# KiCad board board.kicad_pcb
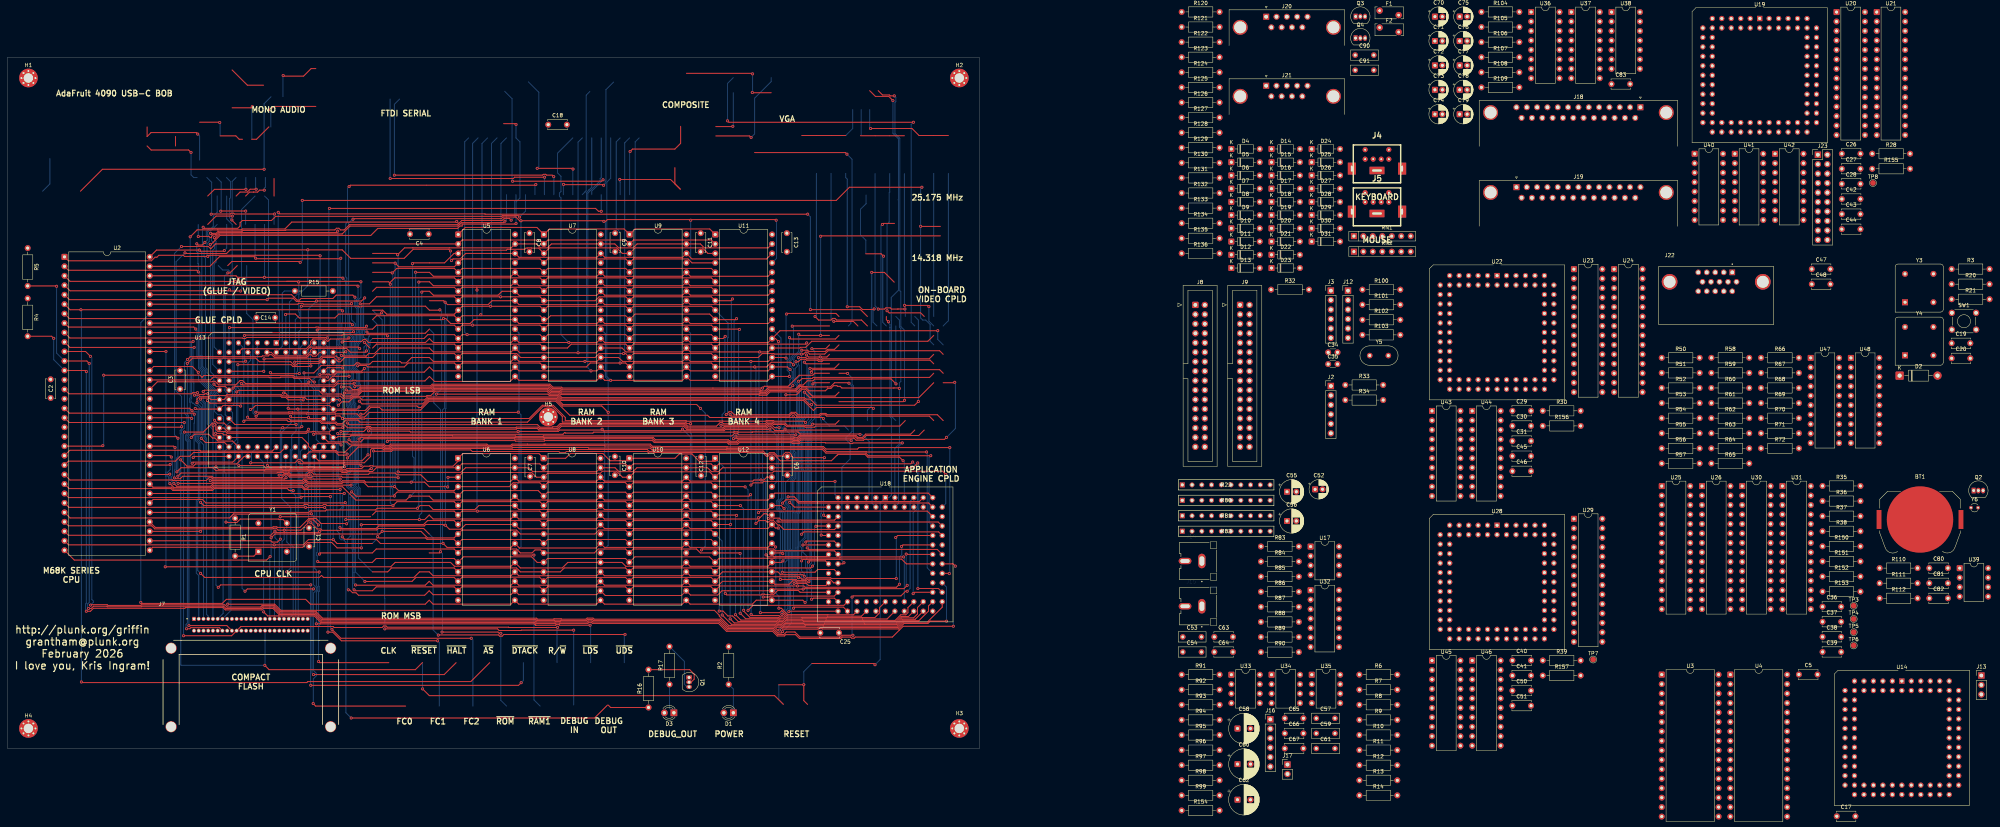
[diagram p0: board, top side]
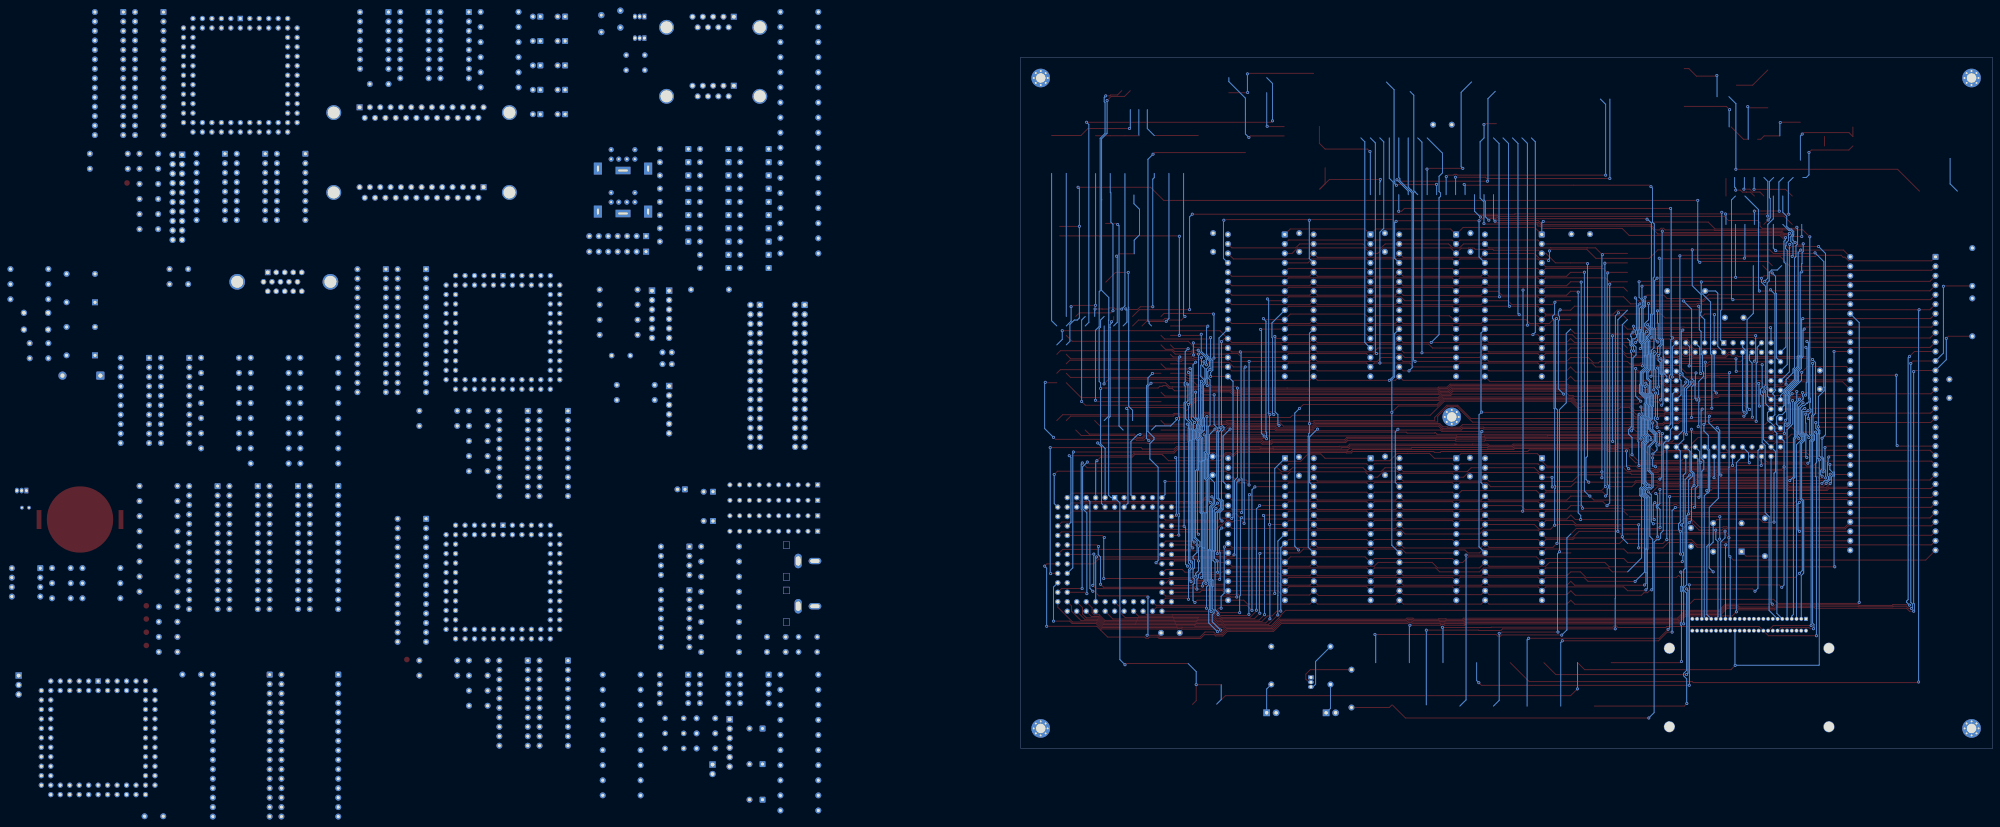
[diagram p1: board, bottom side, seen from below]

Outline 324.26 x 185.57 mm; copper layers: Top, In1.Cu, In2.Cu, Bottom. Coordinates in mm from the lower left corner of the outline.
Outline path: rectangle 0,185.57 260.6,0
Stack: Top 0.035mm / dielectric 0.1mm FR4 er 4.5 / In1.Cu 0.035mm / dielectric 1.24mm FR4 er 4.5 / In2.Cu 0.035mm / dielectric 0.1mm FR4 er 4.5 / Bottom 0.035mm

## Placement (name value [footprint] x y rotation side)
BT1  CR2032  [BatteryHolder_Keystone_3034_1x20mm]  512.83 61.49 0 top
C1  100nF  [C_Disc_D5.0mm_W2.5mm_P5.00mm]  80.88 59.25 270 top
C2  100nF  [C_Disc_D5.0mm_W2.5mm_P5.00mm]  11.58 99.12 270 top
C3  100nF  [C_Disc_D5.0mm_W2.5mm_P5.00mm]  46.28 96.5 90 top
C4  100nF  [C_Disc_D5.0mm_W2.5mm_P5.00mm]  112.94 138.09 180 top
C5  100nF  [C_Disc_D5.0mm_W2.5mm_P5.00mm]  480.36 19.89 0 top
C6  100nF  [C_Disc_D5.0mm_W2.5mm_P5.00mm]  209.13 78.4 270 top
C7  100nF  [C_Disc_D5.0mm_W2.5mm_P5.00mm]  140.13 78.05 270 top
C8  100nF  [C_Disc_D5.0mm_W2.5mm_P5.00mm]  139.99 138.34 270 top
C9  100nF  [C_Disc_D5.0mm_W2.5mm_P5.00mm]  162.94 138.34 270 top
C10  100nF  [C_Disc_D5.0mm_W2.5mm_P5.00mm]  162.88 78.4 270 top
C11  100nF  [C_Disc_D5.0mm_W2.5mm_P5.00mm]  185.89 138.34 270 top
C12  100nF  [C_Disc_D5.0mm_W2.5mm_P5.00mm]  185.98 78.25 270 top
C13  100nF  [C_Disc_D5.0mm_W2.5mm_P5.00mm]  208.99 138.34 270 top
C14  100nF  [C_Disc_D5.0mm_W2.5mm_P5.00mm]  71.78 115.67 180 top
C17  100nF  [C_Disc_D5.0mm_W2.5mm_P5.00mm]  490.51 -18.16 0 top
C18  100nF  [C_Disc_D5.0mm_W2.5mm_P5.00mm]  145 167.47 0 top
C19  100nF  [C_Disc_D5.0mm_W2.5mm_P5.00mm]  521.32 108.81 0 top
C20  100nF  [C_Disc_D5.0mm_W2.5mm_P5.00mm]  521.32 104.76 0 top
C25  100nF  [C_Disc_D5.0mm_W2.5mm_P5.00mm]  217.95 31.07 0 top
C26  100nF  [C_Disc_D5.0mm_W2.5mm_P5.00mm]  491.87 159.67 0 top
C27  100nF  [C_Disc_D5.0mm_W2.5mm_P5.00mm]  491.87 155.62 0 top
C28  100nF  [C_Disc_D5.0mm_W2.5mm_P5.00mm]  491.87 151.57 0 top
C29  100nF  [C_Disc_D5.0mm_W2.5mm_P5.00mm]  403.53 90.66 0 top
C30  100nF  [C_Disc_D5.0mm_W2.5mm_P5.00mm]  403.53 86.61 0 top
C31  100nF  [C_Disc_D5.0mm_W2.5mm_P5.00mm]  403.53 82.56 0 top
C34  33pF  [C_Disc_D3.0mm_W1.6mm_P2.50mm]  354.14 106.35 0 top
C35  33pF  [C_Disc_D3.0mm_W1.6mm_P2.50mm]  354.14 103.2 0 top
C36  100nF  [C_Disc_D5.0mm_W2.5mm_P5.00mm]  486.7 38.09 0 top
C37  100nF  [C_Disc_D5.0mm_W2.5mm_P5.00mm]  486.7 34.04 0 top
C38  100nF  [C_Disc_D5.0mm_W2.5mm_P5.00mm]  486.7 29.99 0 top
C39  100nF  [C_Disc_D5.0mm_W2.5mm_P5.00mm]  486.7 25.94 0 top
C40  100nF  [C_Disc_D5.0mm_W2.5mm_P5.00mm]  403.53 23.66 0 top
C41  100nF  [C_Disc_D5.0mm_W2.5mm_P5.00mm]  403.53 19.61 0 top
C42  100nF  [C_Disc_D5.0mm_W2.5mm_P5.00mm]  491.87 147.52 0 top
C43  100nF  [C_Disc_D5.0mm_W2.5mm_P5.00mm]  491.87 143.47 0 top
C44  100nF  [C_Disc_D5.0mm_W2.5mm_P5.00mm]  491.87 139.42 0 top
C45  100nF  [C_Disc_D5.0mm_W2.5mm_P5.00mm]  403.53 78.51 0 top
C46  100nF  [C_Disc_D5.0mm_W2.5mm_P5.00mm]  403.53 74.46 0 top
C47  100nF  [C_Disc_D5.0mm_W2.5mm_P5.00mm]  483.82 128.71 0 top
C48  100nF  [C_Disc_D5.0mm_W2.5mm_P5.00mm]  483.82 124.66 0 top
C50  100nF  [C_Disc_D5.0mm_W2.5mm_P5.00mm]  403.53 15.56 0 top
C51  100nF  [C_Disc_D5.0mm_W2.5mm_P5.00mm]  403.53 11.51 0 top
C52  10uF  [CP_Radial_D5.0mm_P2.00mm]  350.63 69.59 0 top
C53  8.2nF  [C_Rect_L7.2mm_W2.5mm_P5.00mm]  315.16 29.98 0 top
C54  8.2nF  [C_Rect_L7.2mm_W2.5mm_P5.00mm]  315.16 25.93 0 top
C55  100uF  [CP_Radial_D6.3mm_P2.50mm]  343.1 68.94 0 top
C56  100uF  [CP_Radial_D6.3mm_P2.50mm]  343.1 61.09 0 top
C57  47nF  [C_Rect_L7.2mm_W2.5mm_P5.00mm]  350.95 8.14 0 top
C58  250uF  [CP_Radial_D8.0mm_P3.50mm]  329.81 5.39 0 top
C59  47nF  [C_Rect_L7.2mm_W2.5mm_P5.00mm]  350.95 4.09 0 top
C60  250uF  [CP_Radial_D8.0mm_P3.50mm]  329.81 -4.16 0 top
C61  47nF  [C_Rect_L7.2mm_W2.5mm_P5.00mm]  350.95 0.04 0 top
C62  250uF  [CP_Radial_D8.0mm_P3.50mm]  329.81 -13.71 0 top
C63  100nF  [C_Disc_D5.0mm_W2.5mm_P5.00mm]  323.61 29.98 0 top
C64  100nF  [C_Disc_D5.0mm_W2.5mm_P5.00mm]  323.61 25.93 0 top
C65  100nF  [C_Disc_D5.0mm_W2.5mm_P5.00mm]  342.5 8.14 0 top
C66  100nF  [C_Disc_D5.0mm_W2.5mm_P5.00mm]  342.5 4.09 0 top
C67  100nF  [C_Disc_D5.0mm_W2.5mm_P5.00mm]  342.5 0.04 0 top
C70  1uF  [CP_Radial_D5.0mm_P2.00mm]  382.76 196.47 0 top
C71  1uF  [CP_Radial_D5.0mm_P2.00mm]  382.76 189.92 0 top
C72  1uF  [CP_Radial_D5.0mm_P2.00mm]  382.76 183.37 0 top
C73  1uF  [CP_Radial_D5.0mm_P2.00mm]  382.76 176.82 0 top
C74  1uF  [CP_Radial_D5.0mm_P2.00mm]  382.76 170.27 0 top
C75  1uF  [CP_Radial_D5.0mm_P2.00mm]  389.4 196.47 0 top
C76  1uF  [CP_Radial_D5.0mm_P2.00mm]  389.4 189.92 0 top
C77  1uF  [CP_Radial_D5.0mm_P2.00mm]  389.4 183.37 0 top
C78  1uF  [CP_Radial_D5.0mm_P2.00mm]  389.4 176.82 0 top
C79  1uF  [CP_Radial_D5.0mm_P2.00mm]  389.4 170.27 0 top
C80  2*(CL-Cs) TBD  [C_Disc_D5.0mm_W2.5mm_P5.00mm]  515.32 48.45 0 top
C81  2*(CL-Cs) TBD  [C_Disc_D5.0mm_W2.5mm_P5.00mm]  515.32 44.4 0 top
C82  100nF  [C_Disc_D5.0mm_W2.5mm_P5.00mm]  515.32 40.35 0 top
C83  100nF  [C_Disc_D5.0mm_W2.5mm_P5.00mm]  430.11 178.37 0 top
C90  10nF film  [C_Rect_L7.2mm_W2.5mm_P5.00mm]  361.38 186.14 0 top
C91  10nF film  [C_Rect_L7.2mm_W2.5mm_P5.00mm]  361.38 182.09 0 top
D1  GREEN  [LED_D3.0mm]  194.64 9.62 180 top
D2  1N5817  [D_DO-41_SOD81_P10.16mm_Horizontal]  507.37 100.11 0 top
D3  RED  [LED_D3.0mm]  178.69 9.62 180 top
D4  1N4148  [D_DO-35_SOD27_P7.62mm_Horizontal]  328.17 160.94 0 top
D5  1N4148  [D_DO-35_SOD27_P7.62mm_Horizontal]  328.17 157.39 0 top
D6  1N4148  [D_DO-35_SOD27_P7.62mm_Horizontal]  328.17 153.84 0 top
D7  1N4148  [D_DO-35_SOD27_P7.62mm_Horizontal]  328.17 150.29 0 top
D8  1N4148  [D_DO-35_SOD27_P7.62mm_Horizontal]  328.17 146.74 0 top
D9  1N4148  [D_DO-35_SOD27_P7.62mm_Horizontal]  328.17 143.19 0 top
D10  1N4148  [D_DO-35_SOD27_P7.62mm_Horizontal]  328.17 139.64 0 top
D11  1N4148  [D_DO-35_SOD27_P7.62mm_Horizontal]  328.17 136.09 0 top
D12  1N4148  [D_DO-35_SOD27_P7.62mm_Horizontal]  328.17 132.54 0 top
D13  1N4148  [D_DO-35_SOD27_P7.62mm_Horizontal]  328.17 128.99 0 top
D14  1N4148  [D_DO-35_SOD27_P7.62mm_Horizontal]  338.94 160.94 0 top
D15  1N4148  [D_DO-35_SOD27_P7.62mm_Horizontal]  338.94 157.39 0 top
D16  1N4148  [D_DO-35_SOD27_P7.62mm_Horizontal]  338.94 153.84 0 top
D17  1N4148  [D_DO-35_SOD27_P7.62mm_Horizontal]  338.94 150.29 0 top
D18  1N4148  [D_DO-35_SOD27_P7.62mm_Horizontal]  338.94 146.74 0 top
D19  1N4148  [D_DO-35_SOD27_P7.62mm_Horizontal]  338.94 143.19 0 top
D20  1N4148  [D_DO-35_SOD27_P7.62mm_Horizontal]  338.94 139.64 0 top
D21  1N4148  [D_DO-35_SOD27_P7.62mm_Horizontal]  338.94 136.09 0 top
D22  1N4148  [D_DO-35_SOD27_P7.62mm_Horizontal]  338.94 132.54 0 top
D23  1N4148  [D_DO-35_SOD27_P7.62mm_Horizontal]  338.94 128.99 0 top
D24  1N4148  [D_DO-35_SOD27_P7.62mm_Horizontal]  349.71 160.94 0 top
D25  1N4148  [D_DO-35_SOD27_P7.62mm_Horizontal]  349.71 157.39 0 top
D26  1N4148  [D_DO-35_SOD27_P7.62mm_Horizontal]  349.71 153.84 0 top
D27  1N4148  [D_DO-35_SOD27_P7.62mm_Horizontal]  349.71 150.29 0 top
D28  1N4148  [D_DO-35_SOD27_P7.62mm_Horizontal]  349.71 146.74 0 top
D29  1N4148  [D_DO-35_SOD27_P7.62mm_Horizontal]  349.71 143.19 0 top
D30  1N4148  [D_DO-35_SOD27_P7.62mm_Horizontal]  349.71 139.64 0 top
D31  1N4148  [D_DO-35_SOD27_P7.62mm_Horizontal]  349.71 136.09 0 top
F1  0.5A polyfuse  [Fuse_Bourns_MF-RHT050]  367.94 198.07 0 top
F2  0.5A polyfuse  [Fuse_Bourns_MF-RHT050]  367.94 193.52 0 top
H1  MountingHole  [MountingHole_2.5mm_Pad_Via]  5.62 179.99 0 top
H2  MountingHole  [MountingHole_2.5mm_Pad_Via]  255.23 179.99 0 top
H3  MountingHole  [MountingHole_2.5mm_Pad_Via]  255.23 5.42 0 top
H4  MountingHole  [MountingHole_2.5mm_Pad_Via]  5.62 5.42 0 top
H5  MountingHole  [MountingHole_2.5mm_Pad_Via]  145.01 89.02 0 top
J2  JTAG  [PinHeader_1x06_P2.54mm_Vertical]  354.86 97.33 0 top
J3  FTDI serial A  [PinHeader_1x06_P2.54mm_Vertical]  354.86 122.92 0 top
J4  KEYBOARD  [Mini_din6]  367.22 156.94 0 top
J5  MOUSE  [Mini_din6]  367.22 145.4 0 top
J7  CF Card  [SAMTEC_CFT-125-01-L-D-RA-01-SL]  65.26 26.95 0 top
J8  DEBUG_HEADER  [IDC-Header_2x16_P2.54mm_Vertical]  318.52 119.09 0 top
J9  DEBUG_HEADER  [IDC-Header_2x16_P2.54mm_Vertical]  330.51 119.09 0 top
J12  FTDI serial B  [PinHeader_1x06_P2.54mm_Vertical]  359.45 122.92 0 top
J13  PORTS SPARE  [PinHeader_1x03_P2.54mm_Vertical]  529.28 19.62 0 top
J14  RCA LINE OUT L  [CUI_RCJ-044]  320.26 50.35 0 top
J15  RCA LINE OUT R  [CUI_RCJ-044]  320.26 38.21 0 top
J16  VOLUME POT (dual 10kA, panel)  [PinHeader_1x06_P2.54mm_Vertical]  338.63 7.87 0 top
J17  SPEAKER 8 ohm (case)  [PinHeader_1x02_P2.54mm_Vertical]  343.22 -4.28 0 top
J18  CONSOLE DB-25F DCE  [DSUB-25_Socket_Horizontal_P2.77x2.84mm_EdgePinOffset7.70mm_Housed_MountingHolesOffset9.12mm]  437.86 172.13 0 top
J19  MODEM DB-25M DTE  [DSUB-25_Pins_Horizontal_P2.77x2.84mm_EdgePinOffset7.70mm_Housed_MountingHolesOffset9.12mm]  404.62 150.69 0 top
J20  JOYSTICK 1  [DSUB-9_Pins_Horizontal_P2.77x2.84mm_EdgePinOffset4.94mm_Housed_MountingHolesOffset4.94mm]  337.51 196.43 0 top
J21  JOYSTICK 2  [DSUB-9_Pins_Horizontal_P2.77x2.84mm_EdgePinOffset4.94mm_Housed_MountingHolesOffset4.94mm]  337.51 177.91 0 top
J22  DE-15 VGA  [AMPHENOL_ICD15S13E4GX00LF]  458.18 125.28 0 top
J23  PIXEL_SPARE  [PinHeader_2x10_P2.54mm_Vertical]  485.45 159.4 0 top
Q1  PN2222A  [TO-92_Inline]  182.77 19.11 270 top
Q2  2N7000  [TO-92_Inline]  527.21 69.26 0 top
Q3  2N7000  [TO-92_Inline]  361.49 196.49 0 top
Q4  2N7000  [TO-92_Inline]  361.49 190.7 0 top
R1  100K  [R_Axial_DIN0207_L6.3mm_D2.5mm_P10.16mm_Horizontal]  61.04 61.82 270 top
R2  100  [R_Axial_DIN0207_L6.3mm_D2.5mm_P10.16mm_Horizontal]  193.4 17.23 90 top
R3  10K  [R_Axial_DIN0207_L6.3mm_D2.5mm_P10.16mm_Horizontal]  521.32 128.71 0 top
R4  10K  [R_Axial_DIN0207_L6.3mm_D2.5mm_P10.16mm_Horizontal]  5.42 120.84 270 top
R5  10K  [R_Axial_DIN0207_L6.3mm_D2.5mm_P10.16mm_Horizontal]  5.42 134.34 270 top
R6  10K  [R_Axial_DIN0207_L6.3mm_D2.5mm_P10.16mm_Horizontal]  362.51 19.85 0 top
R7  4.7K  [R_Axial_DIN0207_L6.3mm_D2.5mm_P10.16mm_Horizontal]  362.51 15.8 0 top
R8  10K  [R_Axial_DIN0207_L6.3mm_D2.5mm_P10.16mm_Horizontal]  362.51 11.75 0 top
R9  10K  [R_Axial_DIN0207_L6.3mm_D2.5mm_P10.16mm_Horizontal]  362.51 7.7 0 top
R10  10K  [R_Axial_DIN0207_L6.3mm_D2.5mm_P10.16mm_Horizontal]  362.51 3.65 0 top
R11  10K  [R_Axial_DIN0207_L6.3mm_D2.5mm_P10.16mm_Horizontal]  362.51 -0.4 0 top
R12  10K  [R_Axial_DIN0207_L6.3mm_D2.5mm_P10.16mm_Horizontal]  362.51 -4.45 0 top
R13  10K  [R_Axial_DIN0207_L6.3mm_D2.5mm_P10.16mm_Horizontal]  362.51 -8.5 0 top
R14  10K  [R_Axial_DIN0207_L6.3mm_D2.5mm_P10.16mm_Horizontal]  362.51 -12.55 0 top
R15  10K  [R_Axial_DIN0207_L6.3mm_D2.5mm_P10.16mm_Horizontal]  77.07 122.81 0 top
R16  10k  [R_Axial_DIN0207_L6.3mm_D2.5mm_P10.16mm_Horizontal]  171.9 11.04 90 top
R17  100  [R_Axial_DIN0207_L6.3mm_D2.5mm_P10.16mm_Horizontal]  177.52 17.23 90 top
R20  100K  [R_Axial_DIN0207_L6.3mm_D2.5mm_P10.16mm_Horizontal]  521.32 124.66 0 top
R21  100K  [R_Axial_DIN0207_L6.3mm_D2.5mm_P10.16mm_Horizontal]  521.32 120.61 0 top
R22  4610X-R2R-103LF  [BO_4610X]  315.02 70.79 0 top
R28  0R  [R_Axial_DIN0207_L6.3mm_D2.5mm_P10.16mm_Horizontal]  500.02 159.67 0 top
R30  0R  [R_Axial_DIN0207_L6.3mm_D2.5mm_P10.16mm_Horizontal]  411.68 90.66 0 top
R32  100R  [R_Axial_DIN0207_L6.3mm_D2.5mm_P10.16mm_Horizontal]  338.83 123.19 0 top
R33  10K  [R_Axial_DIN0207_L6.3mm_D2.5mm_P10.16mm_Horizontal]  358.73 97.6 0 top
R34  1K  [R_Axial_DIN0207_L6.3mm_D2.5mm_P10.16mm_Horizontal]  358.73 93.55 0 top
R35  0R  [R_Axial_DIN0207_L6.3mm_D2.5mm_P10.16mm_Horizontal]  486.7 70.49 0 top
R36  0R  [R_Axial_DIN0207_L6.3mm_D2.5mm_P10.16mm_Horizontal]  486.7 66.44 0 top
R37  0R  [R_Axial_DIN0207_L6.3mm_D2.5mm_P10.16mm_Horizontal]  486.7 62.39 0 top
R38  0R  [R_Axial_DIN0207_L6.3mm_D2.5mm_P10.16mm_Horizontal]  486.7 58.34 0 top
R39  0R  [R_Axial_DIN0207_L6.3mm_D2.5mm_P10.16mm_Horizontal]  411.68 23.66 0 top
R50  1k  [R_Axial_DIN0207_L6.3mm_D2.5mm_P10.16mm_Horizontal]  443.58 104.89 0 top
R51  1k  [R_Axial_DIN0207_L6.3mm_D2.5mm_P10.16mm_Horizontal]  443.58 100.84 0 top
R52  1k  [R_Axial_DIN0207_L6.3mm_D2.5mm_P10.16mm_Horizontal]  443.58 96.79 0 top
R53  1k  [R_Axial_DIN0207_L6.3mm_D2.5mm_P10.16mm_Horizontal]  443.58 92.74 0 top
R54  1k  [R_Axial_DIN0207_L6.3mm_D2.5mm_P10.16mm_Horizontal]  443.58 88.69 0 top
R55  3.9k  [R_Axial_DIN0207_L6.3mm_D2.5mm_P10.16mm_Horizontal]  443.58 84.64 0 top
R56  100R  [R_Axial_DIN0207_L6.3mm_D2.5mm_P10.16mm_Horizontal]  443.58 80.59 0 top
R57  1k  [R_Axial_DIN0207_L6.3mm_D2.5mm_P10.16mm_Horizontal]  443.58 76.54 0 top
R58  1k  [R_Axial_DIN0207_L6.3mm_D2.5mm_P10.16mm_Horizontal]  456.89 104.89 0 top
R59  1k  [R_Axial_DIN0207_L6.3mm_D2.5mm_P10.16mm_Horizontal]  456.89 100.84 0 top
R60  1k  [R_Axial_DIN0207_L6.3mm_D2.5mm_P10.16mm_Horizontal]  456.89 96.79 0 top
R61  1k  [R_Axial_DIN0207_L6.3mm_D2.5mm_P10.16mm_Horizontal]  456.89 92.74 0 top
R62  3.9k  [R_Axial_DIN0207_L6.3mm_D2.5mm_P10.16mm_Horizontal]  456.89 88.69 0 top
R63  100R  [R_Axial_DIN0207_L6.3mm_D2.5mm_P10.16mm_Horizontal]  456.89 84.64 0 top
R64  1k  [R_Axial_DIN0207_L6.3mm_D2.5mm_P10.16mm_Horizontal]  456.89 80.59 0 top
R65  1k  [R_Axial_DIN0207_L6.3mm_D2.5mm_P10.16mm_Horizontal]  456.89 76.54 0 top
R66  1k  [R_Axial_DIN0207_L6.3mm_D2.5mm_P10.16mm_Horizontal]  470.2 104.89 0 top
R67  1k  [R_Axial_DIN0207_L6.3mm_D2.5mm_P10.16mm_Horizontal]  470.2 100.84 0 top
R68  1k  [R_Axial_DIN0207_L6.3mm_D2.5mm_P10.16mm_Horizontal]  470.2 96.79 0 top
R69  3.9k  [R_Axial_DIN0207_L6.3mm_D2.5mm_P10.16mm_Horizontal]  470.2 92.74 0 top
R70  100R  [R_Axial_DIN0207_L6.3mm_D2.5mm_P10.16mm_Horizontal]  470.2 88.69 0 top
R71  100R  [R_Axial_DIN0207_L6.3mm_D2.5mm_P10.16mm_Horizontal]  470.2 84.64 0 top
R72  100R  [R_Axial_DIN0207_L6.3mm_D2.5mm_P10.16mm_Horizontal]  470.2 80.59 0 top
R80  4610X-R2R-103LF  [BO_4610X]  315.02 66.64 0 top
R81  4610X-R2R-103LF  [BO_4610X]  315.02 62.49 0 top
R82  4610X-R2R-103LF  [BO_4610X]  315.02 58.34 0 top
R83  10k  [R_Axial_DIN0207_L6.3mm_D2.5mm_P10.16mm_Horizontal]  336.11 54.25 0 top
R84  10k  [R_Axial_DIN0207_L6.3mm_D2.5mm_P10.16mm_Horizontal]  336.11 50.2 0 top
R85  2k  [R_Axial_DIN0207_L6.3mm_D2.5mm_P10.16mm_Horizontal]  336.11 46.15 0 top
R86  2k  [R_Axial_DIN0207_L6.3mm_D2.5mm_P10.16mm_Horizontal]  336.11 42.1 0 top
R87  4.7k  [R_Axial_DIN0207_L6.3mm_D2.5mm_P10.16mm_Horizontal]  336.11 38.05 0 top
R88  4.7k  [R_Axial_DIN0207_L6.3mm_D2.5mm_P10.16mm_Horizontal]  336.11 34 0 top
R89  100R  [R_Axial_DIN0207_L6.3mm_D2.5mm_P10.16mm_Horizontal]  336.11 29.95 0 top
R90  100R  [R_Axial_DIN0207_L6.3mm_D2.5mm_P10.16mm_Horizontal]  336.11 25.9 0 top
R91  10k  [R_Axial_DIN0207_L6.3mm_D2.5mm_P10.16mm_Horizontal]  314.86 19.85 0 top
R92  1k  [R_Axial_DIN0207_L6.3mm_D2.5mm_P10.16mm_Horizontal]  314.86 15.8 0 top
R93  10R  [R_Axial_DIN0207_L6.3mm_D2.5mm_P10.16mm_Horizontal]  314.86 11.75 0 top
R94  10k  [R_Axial_DIN0207_L6.3mm_D2.5mm_P10.16mm_Horizontal]  314.86 7.7 0 top
R95  1k  [R_Axial_DIN0207_L6.3mm_D2.5mm_P10.16mm_Horizontal]  314.86 3.65 0 top
R96  10R  [R_Axial_DIN0207_L6.3mm_D2.5mm_P10.16mm_Horizontal]  314.86 -0.4 0 top
R97  47k  [R_Axial_DIN0207_L6.3mm_D2.5mm_P10.16mm_Horizontal]  314.86 -4.45 0 top
R98  47k  [R_Axial_DIN0207_L6.3mm_D2.5mm_P10.16mm_Horizontal]  314.86 -8.5 0 top
R99  1k  [R_Axial_DIN0207_L6.3mm_D2.5mm_P10.16mm_Horizontal]  314.86 -12.55 0 top
R100  1k  [R_Axial_DIN0207_L6.3mm_D2.5mm_P10.16mm_Horizontal]  363.32 123.19 0 top
R101  1k  [R_Axial_DIN0207_L6.3mm_D2.5mm_P10.16mm_Horizontal]  363.32 119.14 0 top
R102  1k  [R_Axial_DIN0207_L6.3mm_D2.5mm_P10.16mm_Horizontal]  363.32 115.09 0 top
R103  1k  [R_Axial_DIN0207_L6.3mm_D2.5mm_P10.16mm_Horizontal]  363.32 111.04 0 top
R104  10k  [R_Axial_DIN0207_L6.3mm_D2.5mm_P10.16mm_Horizontal]  395.24 197.72 0 top
R105  10k  [R_Axial_DIN0207_L6.3mm_D2.5mm_P10.16mm_Horizontal]  395.24 193.67 0 top
R106  10k  [R_Axial_DIN0207_L6.3mm_D2.5mm_P10.16mm_Horizontal]  395.24 189.62 0 top
R107  10k  [R_Axial_DIN0207_L6.3mm_D2.5mm_P10.16mm_Horizontal]  395.24 185.57 0 top
R108  10k  [R_Axial_DIN0207_L6.3mm_D2.5mm_P10.16mm_Horizontal]  395.24 181.52 0 top
R109  10k  [R_Axial_DIN0207_L6.3mm_D2.5mm_P10.16mm_Horizontal]  395.24 177.47 0 top
R110  4.7k  [R_Axial_DIN0207_L6.3mm_D2.5mm_P10.16mm_Horizontal]  502.01 48.45 0 top
R111  4.7k  [R_Axial_DIN0207_L6.3mm_D2.5mm_P10.16mm_Horizontal]  502.01 44.4 0 top
R112  10k  [R_Axial_DIN0207_L6.3mm_D2.5mm_P10.16mm_Horizontal]  502.01 40.35 0 top
R120  100R  [R_Axial_DIN0207_L6.3mm_D2.5mm_P10.16mm_Horizontal]  314.86 197.72 0 top
R121  100R  [R_Axial_DIN0207_L6.3mm_D2.5mm_P10.16mm_Horizontal]  314.86 193.67 0 top
R122  100R  [R_Axial_DIN0207_L6.3mm_D2.5mm_P10.16mm_Horizontal]  314.86 189.62 0 top
R123  100R  [R_Axial_DIN0207_L6.3mm_D2.5mm_P10.16mm_Horizontal]  314.86 185.57 0 top
R124  100R  [R_Axial_DIN0207_L6.3mm_D2.5mm_P10.16mm_Horizontal]  314.86 181.52 0 top
R125  100R  [R_Axial_DIN0207_L6.3mm_D2.5mm_P10.16mm_Horizontal]  314.86 177.47 0 top
R126  100R  [R_Axial_DIN0207_L6.3mm_D2.5mm_P10.16mm_Horizontal]  314.86 173.42 0 top
R127  100R  [R_Axial_DIN0207_L6.3mm_D2.5mm_P10.16mm_Horizontal]  314.86 169.37 0 top
R128  100R  [R_Axial_DIN0207_L6.3mm_D2.5mm_P10.16mm_Horizontal]  314.86 165.32 0 top
R129  100R  [R_Axial_DIN0207_L6.3mm_D2.5mm_P10.16mm_Horizontal]  314.86 161.27 0 top
R130  100R  [R_Axial_DIN0207_L6.3mm_D2.5mm_P10.16mm_Horizontal]  314.86 157.22 0 top
R131  100R  [R_Axial_DIN0207_L6.3mm_D2.5mm_P10.16mm_Horizontal]  314.86 153.17 0 top
R132  100R  [R_Axial_DIN0207_L6.3mm_D2.5mm_P10.16mm_Horizontal]  314.86 149.12 0 top
R133  100R  [R_Axial_DIN0207_L6.3mm_D2.5mm_P10.16mm_Horizontal]  314.86 145.07 0 top
R134  1M  [R_Axial_DIN0207_L6.3mm_D2.5mm_P10.16mm_Horizontal]  314.86 141.02 0 top
R135  1M  [R_Axial_DIN0207_L6.3mm_D2.5mm_P10.16mm_Horizontal]  314.86 136.97 0 top
R136  10k  [R_Axial_DIN0207_L6.3mm_D2.5mm_P10.16mm_Horizontal]  314.86 132.92 0 top
R150  0R  [R_Axial_DIN0207_L6.3mm_D2.5mm_P10.16mm_Horizontal]  486.7 54.29 0 top
R151  0R  [R_Axial_DIN0207_L6.3mm_D2.5mm_P10.16mm_Horizontal]  486.7 50.24 0 top
R152  0R  [R_Axial_DIN0207_L6.3mm_D2.5mm_P10.16mm_Horizontal]  486.7 46.19 0 top
R153  0R  [R_Axial_DIN0207_L6.3mm_D2.5mm_P10.16mm_Horizontal]  486.7 42.14 0 top
R154  10R  [R_Axial_DIN0207_L6.3mm_D2.5mm_P10.16mm_Horizontal]  314.86 -16.6 0 top
R155  0R  [R_Axial_DIN0207_L6.3mm_D2.5mm_P10.16mm_Horizontal]  500.02 155.62 0 top
R156  0R  [R_Axial_DIN0207_L6.3mm_D2.5mm_P10.16mm_Horizontal]  411.68 86.61 0 top
R157  0R  [R_Axial_DIN0207_L6.3mm_D2.5mm_P10.16mm_Horizontal]  411.68 19.61 0 top
RN1  10k bussed  [R_Array_SIP7]  361.03 137.55 0 top
RN2  10k bussed  [R_Array_SIP7]  361.03 133.38 0 top
SW1  RESET  [SW_TH_Tactile_Omron_B3F-106x]  521.37 116.96 0 top
TP3  TestPoint  [TestPoint_Pad_D1.5mm]  495.05 38.34 0 top
TP4  TestPoint  [TestPoint_Pad_D1.5mm]  495.05 34.79 0 top
TP5  TestPoint  [TestPoint_Pad_D1.5mm]  495.05 31.24 0 top
TP6  TestPoint  [TestPoint_Pad_D1.5mm]  495.05 27.69 0 top
TP7  TestPoint  [TestPoint_Pad_D1.5mm]  425.19 23.91 0 top
TP8  AUDIO_TICK  [TestPoint_Pad_D1.5mm]  500.22 151.82 0 top
U2  MC68000  [DIP-64_W22.86mm]  15.29 131.98 0 top
U3  ROM LO  [DIP-32_W15.24mm]  443.58 19.86 0 top
U4  ROM HI  [DIP-32_W15.24mm]  461.97 19.86 0 top
U5  RAM 1 LO  [DIP-32_W15.24mm]  120.87 138 0 top
U6  RAM 1 HI  [DIP-32_W15.24mm]  120.81 77.93 0 top
U7  RAM 2 LO  [DIP-32_W15.24mm]  143.84 138 0 top
U8  RAM 2 HI  [DIP-32_W15.24mm]  143.78 77.93 0 top
U9  RAM 3 LO  [DIP-32_W15.24mm]  166.82 138 0 top
U10  RAM 3 HI  [DIP-32_W15.24mm]  166.76 77.93 0 top
U11  RAM 4 LO  [DIP-32_W15.24mm]  189.79 138 0 top
U12  RAM 4 HI  [DIP-32_W15.24mm]  189.73 77.93 0 top
U13  GLUE  [PLCC-84_THT-Socket]  72.1 108.91 0 top
U14  PORTS  [PLCC-84_THT-Socket]  507.96 18.13 0 top
U17  LM358  [DIP-8_W7.62mm]  349.43 54.23 0 top
U18  ENGINE  [PLCC-84_THT-Socket]  235.4 67.36 0 top
U19  PIXEL  [PLCC-84_THT-Socket]  469.84 195.96 0 top
U20  IDT7200L15P  [DIP-28_W7.62mm]  490.45 197.69 0 top
U21  IDT7200L15P  [DIP-28_W7.62mm]  501.23 197.69 0 top
U22  COMPOSITOR  [PLCC-84_THT-Socket]  399.42 126.95 0 top
U23  IDT7200L15P  [DIP-28_W7.62mm]  420.03 128.68 0 top
U24  IDT7200L15P  [DIP-28_W7.62mm]  430.81 128.68 0 top
U25  IDT7200L15P  [DIP-28_W7.62mm]  443.59 70.46 0 top
U26  IDT7200L15P  [DIP-28_W7.62mm]  454.37 70.46 0 top
U28  AUDIO  [PLCC-84_THT-Socket]  399.42 59.95 0 top
U29  IDT7200L15P  [DIP-28_W7.62mm]  420.03 61.68 0 top
U30  IDT7200L15P  [DIP-28_W7.62mm]  465.15 70.46 0 top
U31  IDT7200L15P  [DIP-28_W7.62mm]  475.93 70.46 0 top
U32  74HC4066  [DIP-14_W7.62mm]  349.43 42.51 0 top
U33  LM386  [DIP-8_W7.62mm]  328.18 19.83 0 top
U34  LM386  [DIP-8_W7.62mm]  338.96 19.83 0 top
U35  LM386  [DIP-8_W7.62mm]  349.74 19.83 0 top
U36  MAX232  [DIP-16_W7.62mm]  408.56 197.7 0 top
U37  MAX232  [DIP-16_W7.62mm]  419.34 197.7 0 top
U38  SN75189  [DIP-14_W7.62mm]  430.12 197.69 0 top
U39  MCP7940N-I/P  [DIP-8_W7.62mm]  523.48 48.43 0 top
U40  74F219 (part TBD)  [DIP-16_W7.62mm]  452.4 159.65 0 top
U41  74F219 (part TBD)  [DIP-16_W7.62mm]  463.18 159.65 0 top
U42  74F219 (part TBD)  [DIP-16_W7.62mm]  473.96 159.65 0 top
U43  74AHCT541  [DIP-20_W7.62mm]  381.98 90.64 0 top
U44  74AHCT541  [DIP-20_W7.62mm]  392.76 90.64 0 top
U45  74AHCT541  [DIP-20_W7.62mm]  381.98 23.64 0 top
U46  74AHCT541  [DIP-20_W7.62mm]  392.76 23.64 0 top
U47  74AC541  [DIP-20_W7.62mm]  483.52 104.87 0 top
U48  74AC541  [DIP-20_W7.62mm]  494.3 104.87 0 top
Y1  SYSCLK  [Oscillator_DIP-8]  67.29 52.87 0 top
Y3  25.175MHz  [Oscillator_DIP-8]  508.81 119.8 0 top
Y4  OSC2 (optional, DNP)  [Oscillator_DIP-8]  508.81 105.55 0 top
Y5  3.6864MHz  [Resonator-2Pin_W10.0mm_H5.0mm]  365.27 105.49 0 top
Y6  32.768kHz CL 6-9pF  [Crystal_C26-LF_D2.1mm_L6.5mm_Vertical]  526.5 64.67 0 top
